# Altium PCB mchf_pro_ui.PcbDoc (part 2 of 5) (continued)
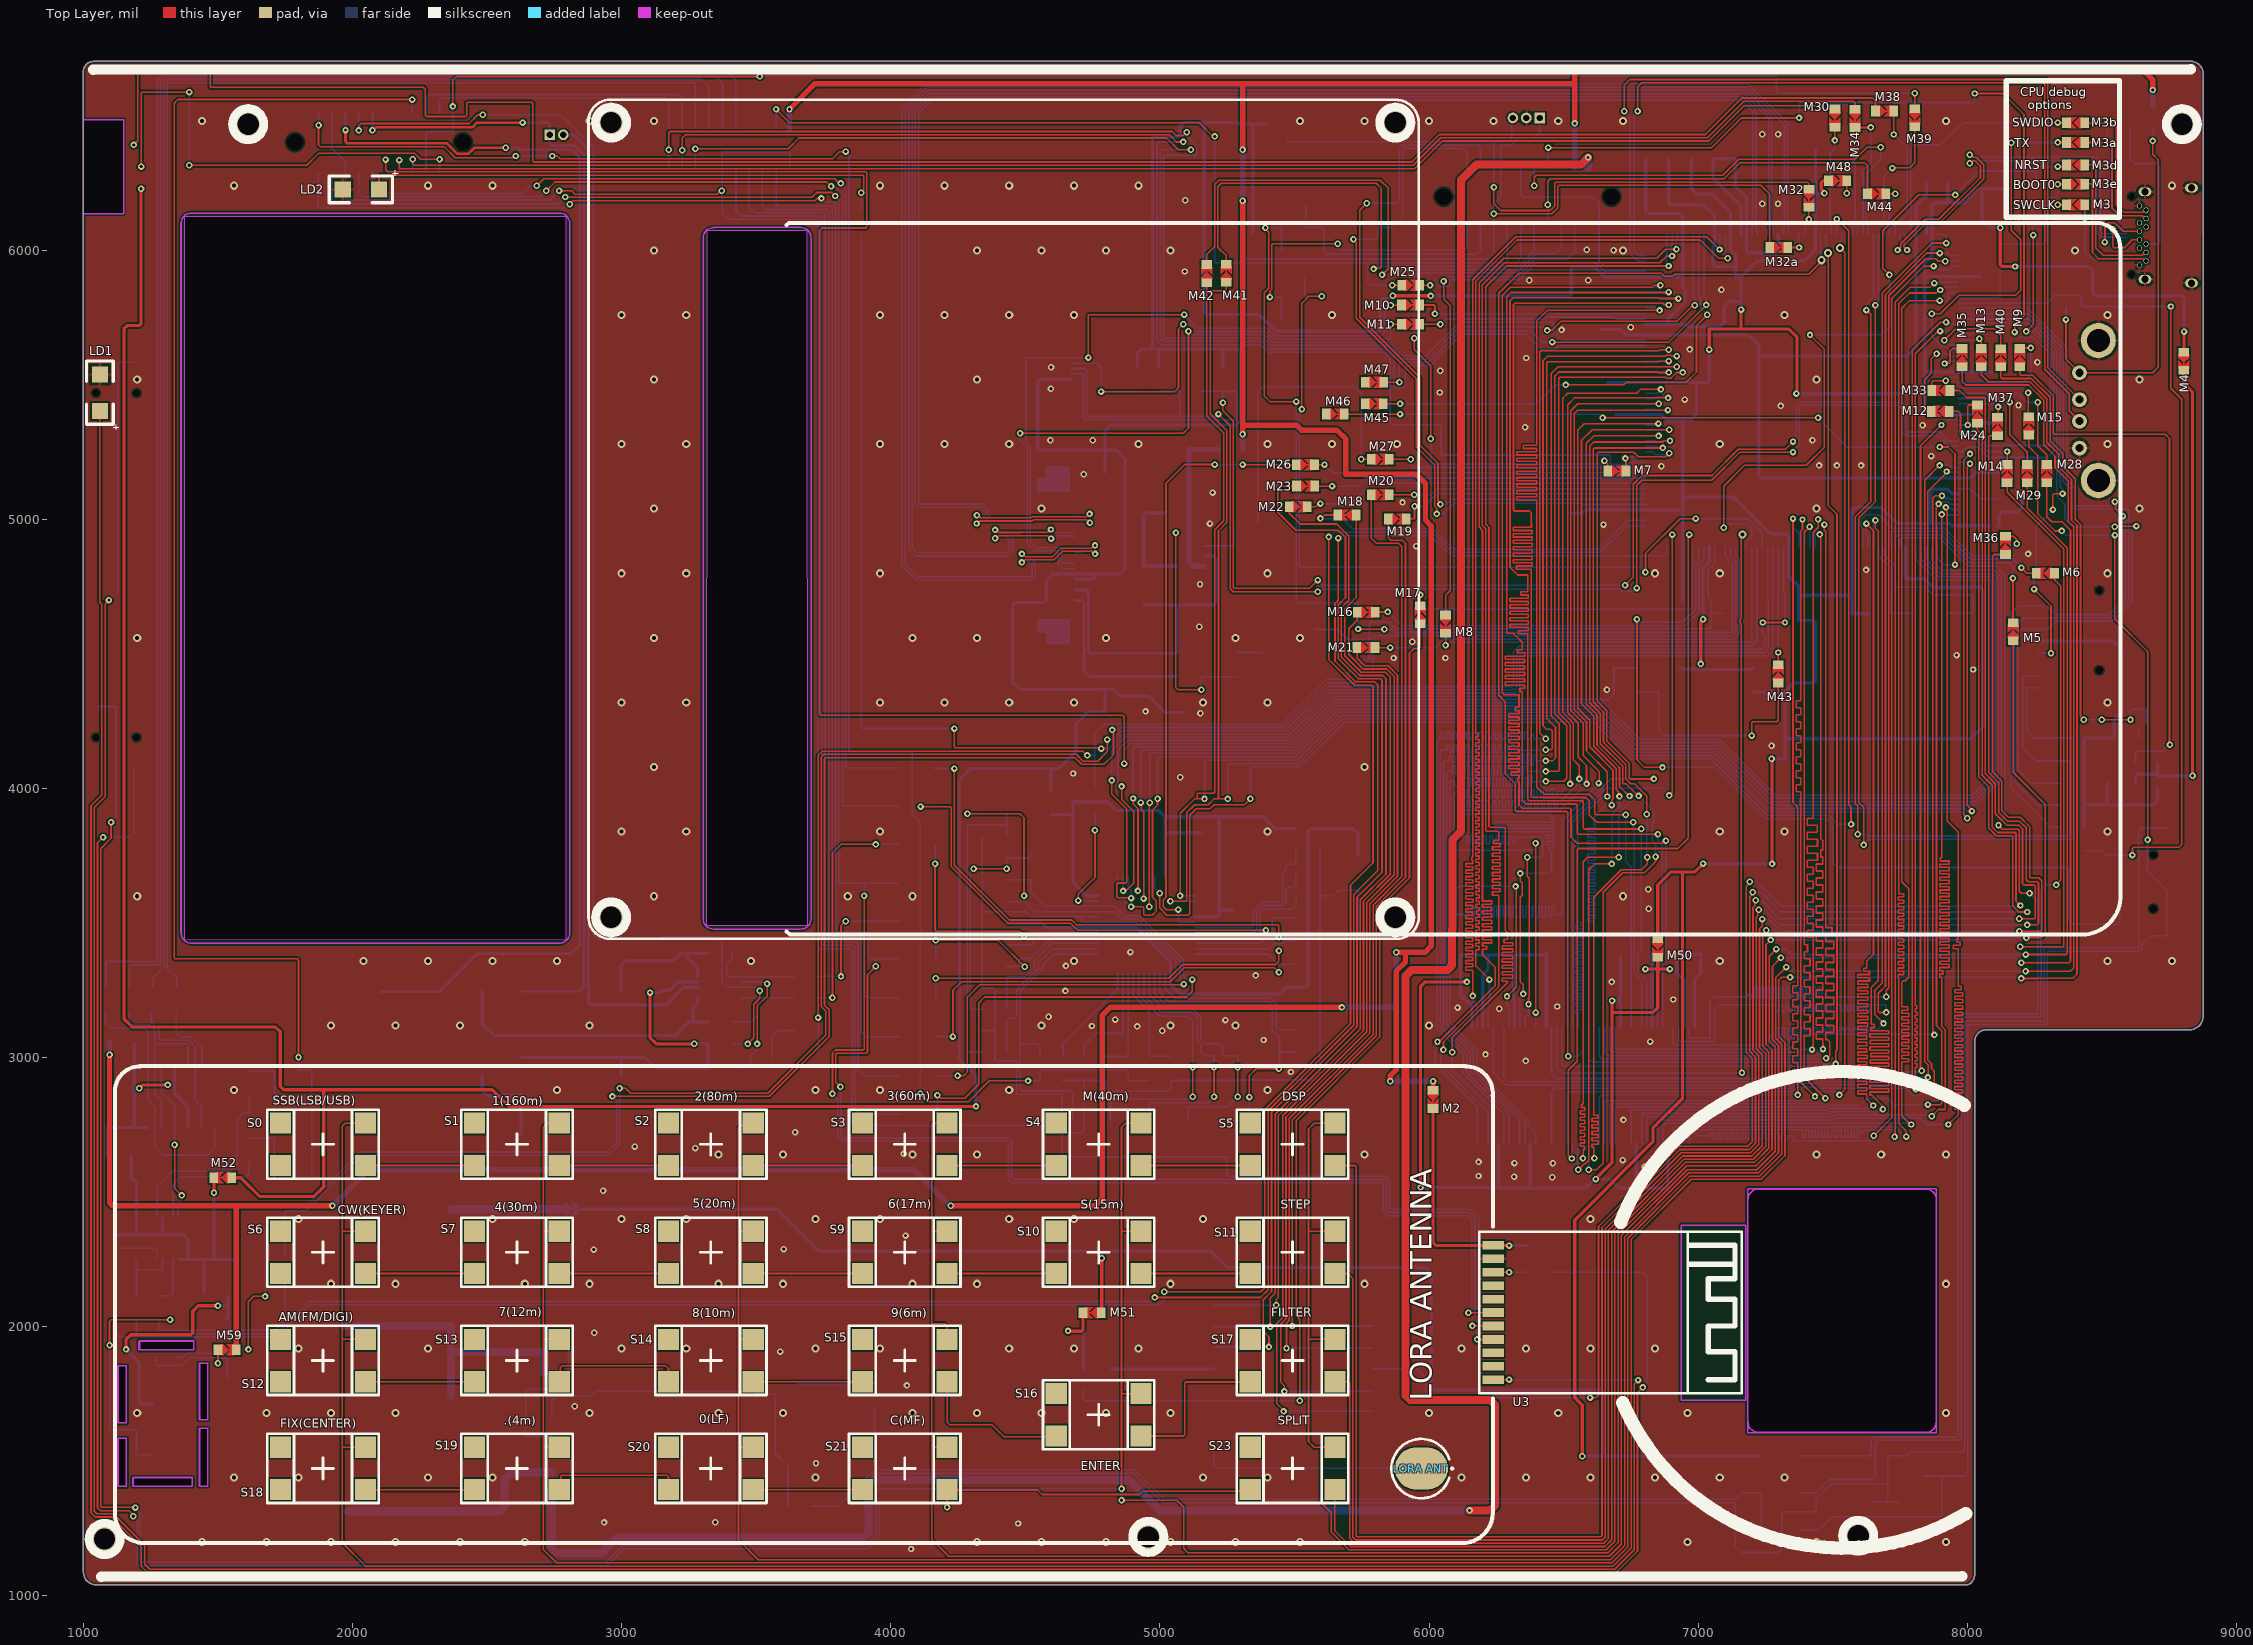
[diagram p0: Top Layer view]
## Nets (pads, with @x,y where several pads share a name; then routed paths per layer and width w, separated by ;. In a path a pad name is that pad's centre, name@x,y a point inside that pad or via, vN(x,y) a via of type N, cw(c..) or ccw(c..) an arc to the next point about the centre after c; other vN are vias at no path point) (continued)
  Bottom Layer w6: v1(4487.2,4840.13) 4489.76,4840.13 4499.72,4850.09 4506.94,4850.09 4524.59,4832.44 4524.59,4789.56 4521.07,4786.04 4101.75,4786.04 4053.15,4834.65 4053.15,4922.24 4053.15,6525.86 4133.59,6606.3 7181.1,6606.3 7320.74,6466.66 7320.74,6082.76 7316.9,6078.91 U5.127@7316.9,6059.62 ; J7.11@4684.06,4875.98 4686.96,4878.89 4703.32,4878.89 4704.26,4879.83 4719.48,4879.83 4721.29,4881.64 4746.38,4881.64 4756.1,4871.92 v1(4758.89,4871.92)
DSI_RESET: J7.9 J8.7 M10.1 | length 2609.2
  Top Layer w6: v1(4734.25,5601.65) 4734.25,5757.76 4737.77,5761.27 v1(5090.27,5761.27) ; v1(5857.85,5796.13) 5896.88,5796.13 M10.1@5897.53,5796.78
  Bottom Layer w6: J7.9@4684.06,4836.61 4638.54,4836.61 4635.02,4840.13 4635.02,4891.97 4631.51,4895.49 4538.93,4895.49 4518.7,4915.72 4518.7,5273.48 4502.04,5290.15 4502.04,5596.88 4505.55,5600.39 J8.7@4670.39,5600.39 4671.02,5601.02 4733.63,5601.02 v1(4734.25,5601.65) ; v1(5090.27,5761.27) 5141.19,5710.35 5397.98,5710.35 5426.1,5682.24 5822.1,5682.24 5834.48,5694.61 5834.48,5792.62 5837.99,5796.13 v1(5857.85,5796.13)
DSI_TE: J7.8 U5.88 | length 3490.3
  Top Layer w6: v1(4480.31,5320.07) 5086.61,5320.07 5105.95,5339.41 v1(5105.95,5698.92)
  Bottom Layer w6: v1(4480.31,5320.07) 4480.31,5294.55 4506.7,5268.16 4506.7,4912.14 4506.89,4911.95 4506.89,4908.46 4531.87,4883.49 4619.51,4883.49 4623.02,4879.97 4623.02,4834.29 4640.38,4816.93 J7.8@4684.06,4816.93 ; v1(5105.95,5698.92) 5110.51,5698.92 5123.08,5686.35 5388.04,5686.35 5416.16,5658.24 5847.12,5658.24 5897.01,5608.35 5989.57,5608.35 6113.47,5732.25 6458.87,5732.25 6462.38,5728.73 6462.38,5699.29 6495.75,5665.92 U5.88@6805.08,5665.92
ENC1_I: C30.1 TS1.b U5.46 | length 3301.1
  Top Layer w6: v1(6772.48,4629.12) 6772.48,4106.6 6800.52,4078.56 v1(6867.37,4078.56)
  Bottom Layer w6: v1(6772.48,4629.12) 6773.81,4629.12 6784.99,4617.94 6942.3,4617.94 6991,4666.64 6991,4836.23 7001.94,4847.17 U5.46@7001.93,4898.21 ; v1(6867.37,4078.56) 7060.19,4078.56 7251.11,3887.64 7478.36,3887.64 7501.88,3864.11 7501.88,3720.22 7515.33,3706.78 8373.22,3706.78 8376.74,3703.27 8376.74,3512.04 8393.31,3495.47 C30.1@8438.98,3495.47 8562.63,3495.47 8566.14,3498.99 TS1.b@8566.14,3553.54
ENC1_Q: C31.1 TS1.d U5.166 | length 3249.9
  Top Layer w6: v1(8613.52,3753.05) 8613.52,3778.68 8617.04,3782.19 8786.56,3782.19 8796.26,3791.89 8796.26,3940.95 8796.26,5326.59 8796.26,5446.85 8755.91,5487.2 v1@8755.91,5791.24
  Bottom Layer w6: U5.166@7966.5,5803.72 8296.02,5803.72 8324.89,5832.58 8419.06,5832.58 8423.44,5828.2 8423.44,5794.75 8426.95,5791.24 v1(8756.24,5791.24) ; C31.1@8438.53,3768.92 8499.02,3768.92 8514.39,3753.54 TS1.d@8566.14,3753.54 8566.63,3753.05 v1(8613.52,3753.05)
ENC2_I: J1UI.A4 U5.190 | length 3699.9
  Top Layer w6: v1(6442.81,6381.8) 7050.1,6381.8 7160.09,6491.78 v1(7374.75,6491.78) ; v1(8027.56,6582.68) 8132.43,6582.68 8210.41,6504.7 8210.41,5756.96 8175.72,5722.27 v1(8175.72,5696.1)
  Bottom Layer w6: J1UI.A4@6441.04,6307.32 6442.81,6309.1 v1(6442.81,6381.8) ; v1(7374.75,6491.78) 7374.75,6545.61 7378.26,6549.13 8024.04,6549.13 8027.56,6552.64 v1(8027.56,6582.68) ; U5.190@7966.5,5331.28 7985.79,5331.28 7993.99,5323.08 8021.1,5323.08 8069.55,5274.63 8304.59,5274.63 8308.1,5278.14 8308.1,5615.2 8245.75,5677.55 8194.27,5677.55 v1(8175.72,5696.1)
ENC2_Q: J1UI.A5 U5.143 | length 1781.1
  Top Layer w6: v1(6390.9,6240) 6390.9,6271.5 6398.13,6278.73 7091.72,6278.73 7150.96,6337.97 7582.06,6337.97 7626.97,6382.87 v1(7678.58,6382.87)
  Bottom Layer w6: v1(6390.9,6240) 6391.04,6240.14 J1UI.A5@6391.04,6307.32 ; U5.143@7631.86,6059.62 7631.86,6104.28 7624.86,6111.27 7624.86,6284.25 7678.58,6337.97 v1(7678.58,6382.87)
FAN_ON: M38.1 SW1.1 | length 7313.1
  Top Layer w6: v1(1187.24,6391.79) 1202.28,6406.82 1202.28,6667.49 1206.24,6671.44 1467.96,6671.44 1471.47,6667.93 1471.47,6606.28 2262.8,6606.28 2270.67,6598.41 2270.67,6500.56 2274.18,6497.05 2420.41,6497.05 2423.92,6500.56 2423.92,6546.46 2427.43,6549.98 2666.18,6549.98 2669.7,6546.46 2669.7,6331.63 2673.21,6328.12 5936.15,6328.12 6038.16,6430.13 7026.3,6430.13 7162.12,6565.94 7647.98,6565.94 7658.83,6555.1 M38.1@7658.83,6517.36
FAN_ON1: J3UI.A10 SW1.2 | length 1727.7
  Top Layer w6: v1(1214.57,6311.02) 1214.57,6584.42 1218.08,6587.93 v1(1392.92,6587.93) ; v1(1392.92,6316.14) 1829.92,6316.14 1873.89,6360.11 2231.42,6360.11 2253.18,6338.36 v1@2323.24,6338.36
  Bottom Layer w6: v1(1392.92,6316.14) v1(1392.92,6587.93) ; J3UI.A10@2323.03,6293.31 2323.27,6293.55 v1(2323.27,6338.32)
FMC_A0: U5.22 U8.25 | length 3495.2
  Top Layer w6: v1(7468.95,4980.89) 7468.08,4980.02 7468.08,4960.09 7474.38,4953.8 7474.38,3804.78 7474.38,3504.92 7474.38,3483.71 7496.96,3483.71 7496.96,3457.71 7474.38,3457.71 7474.38,3431.71 7503.52,3431.71 7503.52,3405.71 7474.38,3405.71 7474.38,3379.71 7503.52,3379.71 7503.52,3353.71 7474.38,3353.71 7474.38,3327.71 7503.52,3327.71 7503.52,3301.71 7474.38,3301.71 7474.38,3275.71 7503.52,3275.71 7503.52,3249.71 7474.38,3249.71 7474.38,3223.71 7503.52,3223.71 7503.52,3197.71 7474.38,3197.71 7474.38,3171.71 7503.52,3171.71 7503.52,3145.71 7474.38,3145.71 7474.38,3119.71 7503.52,3119.71 7503.52,3093.71 7474.38,3093.71 7474.38,3067.71 7480.05,3067.71 7483.05,3064.71 7488.13,3059.63 7488.13,3008.18 7477.69,2997.74 v1(7475.15,2997.74)
  Bottom Layer w6: U8.25@6632.13,3112.61 6632.13,3005.01 6641.08,2996.07 7074.08,2996.07 7074.2,2995.95 7473.35,2995.95 v1(7475.15,2997.74) ; v1(7468.95,4980.89) 7468.95,4959.23 7473.69,4954.48 7473.69,4898.89 U5.22@7474.38,4898.21
FMC_A1: U5.23 U8.26 | length 3476.1
  Top Layer w6: v1@7454.69,4935.21 7454.69,3819.46 7454.69,3814.85 7462.38,3807.17 7462.38,3771.61 7455.88,3771.61 7455.88,3745.61 7462.38,3745.61 7462.38,3719.61 7439.32,3719.61 7439.32,3693.61 7462.38,3693.61 7462.38,3667.61 7439.32,3667.61 7439.32,3641.61 7462.38,3641.61 7462.38,3615.61 7439.32,3615.61 7439.32,3589.61 7462.38,3589.61 7462.38,3563.61 7439.32,3563.61 7439.32,3537.61 7462.38,3537.61 7462.38,3511.61 7439.32,3511.61 7439.32,3485.61 7462.38,3485.61 7462.38,3459.61 7439.32,3459.61 7439.32,3433.61 7462.38,3433.61 7462.38,3407.61 7439.32,3407.61 7439.32,3381.61 7462.38,3381.61 7462.38,3355.61 7439.32,3355.61 7439.32,3329.61 7462.38,3329.61 7462.38,3303.61 7439.32,3303.61 7439.32,3277.61 7462.38,3277.61 7462.38,3251.61 7439.32,3251.61 7439.32,3225.61 7462.38,3225.61 7462.38,3199.61 7439.32,3199.61 7439.32,3173.61 7462.38,3173.61 7462.38,3147.61 7439.32,3147.61 7439.32,3121.61 7462.38,3121.61 7462.38,3095.61 7439.32,3095.61 7439.32,3069.61 7462.38,3069.61 7462.38,3066.61 7462.38,3052.58 7463.64,3051.32 v1(7463.64,3031.91)
  Bottom Layer w6: U8.26@6651.82,3112.61 6651.82,3019.33 6663.08,3008.07 7079.05,3008.07 7079.17,3007.95 7439.68,3007.95 v1(7463.64,3031.91) ; U5.23@7454.69,4898.21 v1@7454.69,4935.21
  other v1: 7451.45,4944.38
FMC_A2: U5.24 U8.27 | length 3420.1
  Top Layer w6: v1(7422.76,3030.33) 7426.21,3033.77 7426.21,3046.5 7427.32,3047.61 7427.32,3444.7 7427.32,3447.7 7405.52,3447.7 7405.52,3473.7 7427.32,3473.7 7427.32,3499.7 7405.52,3499.7 7405.52,3525.7 7427.32,3525.7 7427.32,3551.7 7405.52,3551.7 7405.52,3577.7 7427.32,3577.7 7427.32,3603.7 7405.52,3603.7 7405.52,3629.7 7427.32,3629.7 7427.32,3655.7 7405.52,3655.7 7405.52,3681.7 7427.32,3681.7 7427.32,3707.7 7405.52,3707.7 7405.52,3733.7 7443.21,3733.7 7443.21,3759.7 7405.52,3759.7 7405.52,3785.7 7443.11,3785.7 7443.11,3811.7 7405.52,3811.7 7405.52,3837.7 7442.69,3837.7 7442.69,3863.7 7405.52,3863.7 7405.52,3889.7 7427.32,3889.7 7427.32,3904.8 7427.32,4940.18 7427.32,4952.58 7445.52,4970.78 v1(7445.52,5000.78)
  Bottom Layer w6: U8.27@6671.5,3112.61 6671.5,3028.64 6680.08,3020.07 7372.81,3020.07 7383.07,3030.33 v1(7422.76,3030.33) ; U5.24@7435.01,4898.21 7435.01,4931.12 7430.45,4935.68 7430.45,4953.67 7445.52,4968.74 v1(7445.52,5000.78)
FMC_A3: U5.25 U8.60 | length 3485.8
  Top Layer w6: v1(7414.01,4972.78) 7393.52,4952.3 7393.52,3457.71 7393.52,3419.58 7405.95,3419.58 7405.95,3393.58 7393.52,3393.58 7393.52,3367.58 7415.32,3367.58 7415.32,3341.58 7393.52,3341.58 7393.52,3315.58 7415.32,3315.58 7415.32,3289.58 7393.52,3289.58 7393.52,3263.58 7415.32,3263.58 7415.32,3237.58 7393.52,3237.58 7393.52,3211.58 7415.32,3211.58 7415.32,3185.58 7393.52,3185.58 7393.52,3159.58 7415.32,3159.58 7415.32,3133.58 7393.52,3133.58 7393.52,3107.58 7415.32,3107.58 7415.32,3081.58 7393.52,3081.58 7393.52,3052.58 7393.52,2928.04 7427.32,2894.24 v1(7472.52,2849.04)
  Bottom Layer w6: U8.60@6671.5,2679.53 6671.5,2825.24 6675.02,2828.76 7456.81,2828.76 7472.52,2844.46 v1(7472.52,2849.04) ; v1(7414.01,4972.78) 7414.66,4972.12 7414.66,4898.86 U5.25@7415.32,4898.21
FMC_A4: U5.26 U8.61 | length 3464.8
  Top Layer w6: v1(7387.52,4999.84) 7387.52,4963.27 7381.52,4957.27 7381.52,4345.21 7381.52,4326.06 7364.25,4326.06 7364.25,4300.06 7381.52,4300.06 7381.52,4274.06 7364.25,4274.06 7364.25,4248.06 7381.52,4248.06 7381.52,4222.06 7364.25,4222.06 7364.25,4196.06 7381.52,4196.06 7381.52,4170.06 7364.25,4170.06 7364.25,4144.06 7381.52,4144.06 7381.52,4118.06 7364.25,4118.06 7364.25,4092.06 7381.52,4092.06 7381.52,4066.06 7364.25,4066.06 7364.25,4040.06 7381.52,4040.06 7381.52,4014.06 7364.25,4014.06 7364.25,3988.06 7381.52,3988.06 7381.52,3962.06 7380.26,3962.06 7380.26,3936.06 7381.52,3936.06 7381.52,3933.06 7381.52,2908.85 v1(7434.02,2856.35)
  Bottom Layer w6: U8.61@6651.82,2679.53 6651.82,2837.24 6655.33,2840.76 7418.42,2840.76 v1(7434.02,2856.35) ; v1(7387.52,4999.84) 7387.52,4964.32 7395.64,4956.21 U5.26@7395.64,4898.21
FMC_A5: U5.27 U8.62 | length 3421.8
  Top Layer w6: v1(7352.25,5003.12) 7352.25,3947.97 7369.52,3930.7 7369.52,3279.84 7369.52,3267.59 7351.49,3267.59 7351.49,3241.59 7369.52,3241.59 7369.52,3215.59 7351.49,3215.59 7351.49,3189.59 7369.52,3189.59 7369.52,3163.59 7351.49,3163.59 7351.49,3137.59 7369.52,3137.59 7369.52,3111.59 7351.49,3111.59 7351.49,3085.59 7369.52,3085.59 7369.52,3059.59 7351.49,3059.59 7351.49,3033.59 7369.52,3033.59 7369.52,3007.59 7351.49,3007.59 7351.49,2981.59 7369.52,2981.59 7369.52,2955.59 7351.49,2955.59 7351.49,2929.59 7369.52,2929.59 7369.52,2926.59 7369.52,2868.78 v1@7374.52,2863.78
  Bottom Layer w6: U8.62@6632.13,2679.53 6632.13,2852.39 6641.5,2861.76 v1@7361.52,2861.76 ; v1(7352.25,5003.12) 7352.25,4971.89 7375.95,4948.19 U5.27@7375.95,4898.21
  other v1: 7369.52,2861.76
FMC_A6: U5.68 U8.63 | length 3467.8
  Top Layer w6: v1(6614.52,2626.59) 6612.11,2629 6612.11,2663.78 6612.11,2666.78 6605.52,2666.78 6605.52,2678.78 6629.18,2678.78 6629.18,2690.78 6605.52,2690.78 6605.52,2702.78 6629.18,2702.78 6629.18,2714.78 6605.52,2714.78 6605.52,2726.78 6629.18,2726.78 6629.18,2738.78 6605.52,2738.78 6605.52,2750.78 6629.18,2750.78 6629.18,2762.78 6605.52,2762.78 6605.52,2774.78 6627.73,2774.78 6627.73,2786.78 6612.11,2786.78 6612.11,2861.23 6612.11,3596.43 6714.46,3698.78 6789.52,3698.78 6810.85,3720.11 v1(6810.88,3744.78) ; v1(6809.22,3904.8) 6809.52,3905.11 6809.52,3971.78 6763.04,4018.27 6749.01,4018.27 6731.45,4035.83 6731.45,4088.5 6648.11,4171.83 6648.11,4284.47 6609.52,4323.06 6609.52,5261.01 6614.15,5265.64 v1(6868.38,5265.64)
  Bottom Layer w6: U8.63@6612.45,2679.53 6613.1,2678.88 6613.1,2628.01 v1(6614.52,2626.59) ; U5.68@6805.08,5272.22 6843.7,5272.22 6850.29,5265.64 v1(6868.38,5265.64) ; v1(6809.22,3904.8) 6809.22,3746.44 v1(6810.88,3744.78)
FMC_A7: U5.69 U8.64 | length 3468.4
  Top Layer w6: v1(6593.52,2583.57) 6622.31,2583.57 6647.52,2608.78 6647.52,3614.87 6719.43,3686.78 6800.52,3686.78 6841.52,3727.78 v1(6841.52,3746.78) ; v1@6778.52,3971.78 6732.09,4018.21 6719.45,4018.21 6719.45,4083.53 6636.11,4166.86 6636.11,4279.5 6596.52,4319.09 6596.52,5272.68 6611.67,5287.83 6869.48,5287.83 6874.36,5292.71 v1(6895.19,5292.71)
  Bottom Layer w6: U8.64@6593.11,2679.88 U8.64@6592.76,2679.53 6592.76,2583.54 v1@6593.52,2582.78 ; v1(6778.52,3972.57) 6835.5,3915.59 6835.5,3876.78 6828.98,3870.26 6828.98,3807.78 6841.52,3795.24 v1(6841.52,3746.78) ; U5.69@6805.08,5291.91 6841.34,5291.91 6843.97,5289.28 6861.37,5289.28 6864,5291.91 6894.39,5291.91 v1(6895.19,5292.71)
FMC_A8: U5.70 U8.65 | length 3466.4
  Top Layer w6: v1(6571.76,2626.59) 6573.11,2627.94 6573.11,2643.94 6573.11,2658.94 6578.22,2658.94 6578.22,2670.94 6561.57,2670.94 6561.57,2682.94 6578.22,2682.94 6578.22,2694.94 6561.57,2694.94 6561.57,2706.94 6578.22,2706.94 6578.22,2718.94 6561.57,2718.94 6561.57,2730.94 6578.22,2730.94 6578.22,2742.94 6561.57,2742.94 6561.57,2754.94 6578.22,2754.94 6578.22,2766.94 6561.57,2766.94 6561.57,2778.94 6578.22,2778.94 6578.22,2790.94 6561.57,2790.94 6561.57,2802.94 6578.22,2802.94 6578.22,2814.94 6566.5,2814.94 6566.5,2826.94 6573.11,2826.94 6573.11,2942.01 6573.11,3728.37 6589.52,3744.78 v1(6705.18,3744.78) ; v1@6743.45,3971.94 6707.45,4007.94 6707.45,4078.56 6624.11,4161.89 6624.11,4274.53 6584.52,4314.12 6584.52,5282.97 6611.83,5310.28 v1(6852.67,5310.28)
  Bottom Layer w6: v1(6571.76,2626.59) 6572.42,2627.25 6572.42,2678.88 U8.65@6573.08,2679.53 ; v1(6705.18,3744.78) 6705.18,3907.14 6744.81,3946.77 v1(6744.81,3972.38) ; U5.70@6805.08,5311.59 6851.35,5311.59 v1(6852.67,5310.28)
FMC_A9: U5.71 U8.66 | length 3401
  Top Layer w6: v1(6554.6,2584.1) 6574.43,2603.94 6578.81,2603.94 6593.52,2618.65 6593.52,3698.78 6614.85,3720.11 v1(6678.52,3720.11) ; v1(6707.45,3970.68) 6705.18,3972.94 6705.18,3986.12 6695.45,3995.86 6695.45,4073.59 6612.11,4156.92 6612.11,4269.56 6566.52,4315.15 6566.52,5294.35 6605.78,5333.61 v1(6892.46,5333.61)
  Bottom Layer w6: v1@6553.11,2583.54 6553.39,2583.83 6553.39,2615.26 6550.76,2617.89 6550.76,2635.29 6553.39,2637.92 U8.66@6553.39,2679.53 U8.66@6553.11,2679.82 ; v1(6678.52,3720.11) 6678.52,3904.05 6707.45,3932.98 v1(6707.45,3970.68) ; U5.71@6805.08,5331.28 6871.77,5331.28 6874.11,5333.61 v1(6892.46,5333.61)
FMC_A10: U5.72 U8.24 | length 3481.3
  Top Layer w6: v1(6678.52,3938.57) 6678.52,3956.95 6683.45,3961.87 6683.45,4068.62 6597.11,4154.95 6597.11,4253.66 6552.6,4298.18 6552.6,5332.06 6576.57,5356.04 v1(6852.29,5356.04)
  Bottom Layer w6: U8.24@6612.45,3112.61 6612.45,3503.15 6612.45,3506.15 6590.57,3506.15 6590.57,3518.15 6617.46,3518.15 6617.46,3530.15 6590.57,3530.15 6590.57,3542.15 6617.46,3542.15 6617.46,3554.15 6590.57,3554.15 6590.57,3566.15 6617.46,3566.15 6617.46,3578.15 6590.57,3578.15 6590.57,3590.15 6617.46,3590.15 6617.46,3602.15 6590.57,3602.15 6590.57,3614.15 6617.46,3614.15 6617.46,3626.15 6590.57,3626.15 6590.57,3638.15 6617.46,3638.15 6617.46,3650.15 6590.57,3650.15 6590.57,3662.15 6617.46,3662.15 6617.46,3674.15 6590.57,3674.15 6590.57,3686.15 6617.46,3686.15 6617.46,3698.15 6590.57,3698.15 6590.57,3710.15 6617.46,3710.15 6617.46,3722.15 6590.57,3722.15 6590.57,3734.15 6617.46,3734.15 6617.46,3746.15 6590.57,3746.15 6590.57,3758.15 6617.46,3758.15 6617.46,3770.15 6590.57,3770.15 6590.57,3782.15 6617.46,3782.15 6617.46,3794.15 6590.57,3794.15 6590.57,3806.15 6617.46,3806.15 6617.46,3818.15 6590.57,3818.15 6590.57,3830.15 6617.46,3830.15 6617.46,3842.15 6590.57,3842.15 6590.57,3854.15 6617.46,3854.15 6617.46,3866.15 6612.45,3866.15 6612.45,3870.26 6612.45,3893.7 6656.53,3937.78 v1@6678.52,3937.78 ; U5.72@6805.33,5351.21 U5.72@6805.08,5350.96 6842.34,5350.96 6847.42,5356.04 v1(6852.29,5356.04)
FMC_A11: U5.75 U8.21 | length 3494.8
  Top Layer w6: v1(6662.45,3970.57) 6662.45,4062.62 6585.11,4139.95 6585.11,4248.69 6538.79,4295.01 6538.79,5392.53 6552.53,5406.27 v1(6887.49,5406.27)
  Bottom Layer w6: U8.21@6553.39,3112.61 6553.39,3163.78 6553.39,3166.78 6545.71,3166.78 6545.71,3178.78 6570.09,3178.78 6570.09,3190.78 6545.71,3190.78 6545.71,3202.78 6570.09,3202.78 6570.09,3214.78 6545.71,3214.78 6545.71,3226.78 6570.09,3226.78 6570.09,3238.78 6545.71,3238.78 6545.71,3250.78 6570.09,3250.78 6570.09,3262.78 6545.71,3262.78 6545.71,3274.78 6570.09,3274.78 6570.09,3286.78 6545.71,3286.78 6545.71,3298.78 6570.09,3298.78 6570.09,3310.78 6545.71,3310.78 6545.71,3322.78 6570.09,3322.78 6570.09,3334.78 6545.71,3334.78 6545.71,3346.78 6570.09,3346.78 6570.09,3358.78 6545.71,3358.78 6545.71,3370.78 6570.09,3370.78 6570.09,3382.78 6545.71,3382.78 6545.71,3394.78 6570.09,3394.78 6570.09,3406.78 6545.71,3406.78 6545.71,3418.78 6570.09,3418.78 6570.09,3430.78 6545.71,3430.78 6545.71,3442.78 6570.09,3442.78 6570.09,3454.78 6545.71,3454.78 6545.71,3466.78 6570.09,3466.78 6570.09,3478.78 6545.71,3478.78 6545.71,3490.78 6563.3,3490.78 6563.3,3502.78 6553.12,3502.78 6553.11,3509.28 6553.11,3512.28 6553.11,3879.66 6643.23,3969.78 v1@6662.45,3969.78 ; U5.75@6805.08,5410.02 6837.45,5410.02 6841.2,5406.27 v1(6887.49,5406.27)
FMC_BA0: U5.134 U8.22 | length 4565.1
  Top Layer w6: v1(6517.54,3005.01) 6515.52,3007.03 6515.52,3911.33 6512.01,3914.85 6323.42,3914.85 6319.52,3918.74 6319.52,4018.98 6282.5,4056.01 6282.5,4322.66 6258.87,4346.29 6258.87,5840.13 6333.95,5915.21 6863.47,5915.21 6863.47,5914.26 6874.46,5903.27 6879.43,5903.27 6879.64,5903.48 6904.76,5903.48 6912.52,5911.24 7410.8,5911.24 7457.52,5957.97 v2(7457.52,5963.21)
  Bottom Layer w6: v1(6517.54,3005.01) 6553.39,3005.01 6573.08,3024.7 U8.22@6573.08,3112.61 ; U5.134@7454.69,6059.62 7454.69,5966.04 v2(7457.52,5963.21)
FMC_BA1: U5.135 U8.23 | length 4139.9
  Top Layer w6: v2(7482.52,5990.78) 7482.52,5051.78 7515.52,5018.78 7515.52,3030.03 7510.86,3025.36 v1(7510.86,2976.74)
  Bottom Layer w6: U8.23@6592.76,3112.61 6592.76,2997.38 6606.2,2983.95 7456.71,2983.95 7463.91,2976.74 v1(7510.86,2976.74) ; v2@7474.38,5991.21 U5.135@7474.38,6059.62
FMC_D0: U5.115 U8.2 | length 4744
  Top Layer w6: v1(6162.11,3229.59) 6162.11,3322.41 6162.11,3325.42 6135.99,3325.42 6135.99,3337.42 6162.11,3337.42 6162.11,3349.42 6135.99,3349.42 6135.99,3361.42 6162.11,3361.42 6162.11,3373.42 6135.99,3373.42 6135.99,3385.42 6162.11,3385.42 6162.11,3397.42 6135.99,3397.42 6135.99,3409.42 6162.11,3409.42 6162.11,3421.42 6135.99,3421.42 6135.99,3433.42 6162.11,3433.42 6162.11,3445.42 6135.99,3445.42 6135.99,3457.42 6162.11,3457.42 6162.11,3469.42 6135.99,3469.42 6135.99,3481.42 6162.11,3481.42 6162.11,3493.42 6135.99,3493.42 6135.99,3505.42 6162.11,3505.42 6162.11,3517.42 6135.99,3517.42 6135.99,3529.42 6162.86,3529.42 6162.86,3541.42 6135.99,3541.42 6135.99,3553.42 6162.11,3553.42 6162.11,3565.42 6135.99,3565.42 6135.99,3577.42 6163.62,3577.42 6163.62,3589.42 6135.99,3589.42 6135.99,3601.42 6162.11,3601.42 6162.11,3613.42 6135.99,3613.42 6135.99,3625.42 6162.25,3625.42 6162.25,3637.42 6135.99,3637.42 6135.99,3649.42 6162.11,3649.42 6162.11,3661.42 6135.99,3661.42 6135.99,3673.42 6162.11,3673.42 6162.11,3685.42 6135.99,3685.42 6135.99,3697.42 6162.11,3697.42 6162.11,3709.42 6135.99,3709.42 6135.99,3721.42 6162.11,3721.42 6162.11,3733.42 6159.22,3733.42 6159.22,3745.42 6162.11,3745.42 6162.11,3767.68 6162.11,5890.73 6321.65,6050.28 7032.16,6050.28 7079.36,6003.08 v1(7079.36,6003.02)
  Bottom Layer w6: v1(6162.11,3229.59) 6162.11,3209.87 6179.38,3192.6 U8.2@6179.38,3112.61 ; v1(7079.36,6003.02) 7079.36,6008.89 7080.68,6010.21 U5.115@7080.67,6059.62
FMC_D1: U5.116 U8.4 | length 4748.1
  Top Layer w6: v1(6224.37,3290.3) 6174.11,3340.56 6174.11,3386.58 6174.11,3401.58 6186.52,3401.58 6186.52,3413.58 6174.11,3413.58 6174.11,3425.58 6186.52,3425.58 6186.52,3437.58 6174.11,3437.58 6174.11,3449.58 6186.52,3449.58 6186.52,3461.58 6174.11,3461.58 6174.11,3473.58 6186.52,3473.58 6186.52,3485.58 6174.11,3485.58 6174.11,3497.58 6186.52,3497.58 6186.52,3509.58 6174.11,3509.58 6174.11,3521.58 6186.52,3521.58 6186.52,3533.58 6174.86,3533.58 6174.86,3545.58 6186.49,3545.58 6186.49,3557.58 6174.11,3557.58 6174.11,3569.58 6186.46,3569.58 6186.46,3581.58 6175.62,3581.58 6175.62,3593.58 6186.52,3593.58 6186.52,3605.58 6174.11,3605.58 6174.11,3617.58 6186.52,3617.58 6186.52,3629.58 6174.25,3629.58 6174.25,3641.58 6186.52,3641.58 6186.52,3653.58 6174.11,3653.58 6174.11,3665.58 6186.52,3665.58 6186.52,3677.58 6174.11,3677.58 6174.11,3689.58 6186.52,3689.58 6186.52,3701.58 6174.11,3701.58 6174.11,3713.58 6186.52,3713.58 6186.52,3725.58 6174.11,3725.58 6174.11,3737.58 6186.52,3737.58 6186.52,3749.58 6174.11,3749.58 6174.11,3761.58 6186.52,3761.58 6186.52,3773.58 6174.11,3773.58 6174.11,3785.58 6186.52,3785.58 6186.52,3797.58 6174.11,3797.58 6174.11,3809.58 6186.52,3809.58 6186.52,3821.58 6174.11,3821.58 6174.11,3833.58 6186.52,3833.58 6186.52,3845.58 6174.11,3845.58 6174.11,3857.58 6186.52,3857.58 6186.52,3869.58 6174.11,3869.58 6174.11,3881.58 6186.52,3881.58 6186.52,3893.58 6174.11,3893.58 6174.11,3905.58 6186.52,3905.58 6186.52,3917.58 6174.11,3917.58 6174.11,3929.58 6186.52,3929.58 6186.52,3941.58 6174.11,3941.58 6174.11,3953.58 6186.52,3953.58 6186.52,3965.58 6174.11,3965.58 6174.11,3977.58 6186.52,3977.58 6186.52,3989.58 6174.11,3989.58 6174.11,4001.58 6186.52,4001.58 6186.52,4013.58 6174.11,4013.58 6174.11,4025.58 6186.52,4025.58 6186.52,4037.58 6174.11,4037.58 6174.11,4049.58 6186.52,4049.58 6186.52,4061.58 6174.11,4061.58 6174.11,4073.58 6186.52,4073.58 6186.52,4085.58 6174.11,4085.58 6174.11,4097.58 6186.52,4097.58 6186.52,4109.58 6174.11,4109.58 6174.11,4121.58 6186.52,4121.58 6186.52,4133.58 6174.11,4133.58 6174.11,4145.58 6186.52,4145.58 6186.52,4157.58 6174.11,4157.58 6174.11,4169.58 6186.52,4169.58 6186.52,4181.58 6174.11,4181.58 6174.11,4193.58 6182.91,4193.58 6182.91,4205.58 6174.11,4205.58 6174.11,4219.52 6174.11,5885.76 6326.62,6038.28 7007.69,6038.28 7075.64,5970.33 v1(7109.62,5970.33)
  Bottom Layer w6: U8.4@6218.75,3112.61 6219.86,3113.72 6219.86,3207.44 6224.37,3211.95 v1(6224.37,3290.3) ; U5.116@7100.36,6059.62 7100.36,5982.84 7109.62,5973.59 v1(7109.62,5970.33)
FMC_D2: U5.170 U8.5 | length 4751.2
  Top Layer w6: v1(7808.85,2882.76) 7794.76,2896.85 7794.76,5628.17 7899.21,5732.62 v1(7920.96,5732.62)
  Bottom Layer w6: U8.5@6238.43,3112.61 6238.43,2945.25 6285.33,2898.36 7342.48,2898.36 7364.31,2920.18 7433.83,2920.18 7454.95,2899.07 7791.52,2899.07 7807.84,2882.76 v1(7808.85,2882.76) ; v1(7920.96,5732.62) 7925.83,5732.62 7933.47,5724.98 U5.170@7966.5,5724.98
FMC_D3: U5.171 U8.7 | length 4803.3
  Top Layer w6: v1@7825.76,2907.78 7806.76,2926.78 7806.76,2950.26 7806.76,2953.26 7806.76,2965.26 7813.76,2965.26 7813.76,2977.26 7806.76,2977.26 7806.76,2989.26 7813.76,2989.26 7813.76,3001.26 7806.76,3001.26 7806.76,3013.26 7813.76,3013.26 7813.76,3025.26 7806.76,3025.26 7806.76,3037.26 7813.76,3037.26 7813.76,3049.26 7806.76,3049.26 7806.76,3061.26 7813.76,3061.26 7813.76,3073.26 7806.76,3073.26 7806.76,3085.26 7813.76,3085.26 7813.76,3097.26 7806.76,3097.26 7806.76,3109.26 7813.76,3109.26 7813.76,3121.26 7806.76,3121.26 7806.76,3133.26 7813.76,3133.26 7813.76,3145.26 7806.76,3145.26 7806.76,3157.26 7813.76,3157.26 7813.76,3169.26 7806.76,3169.26 7806.76,3181.26 7812.16,3181.26 7812.16,3193.26 7806.76,3193.26 7806.76,3296.62 7806.76,3800.78 7806.76,5615.29 7886.04,5694.57 7888.44,5694.57 7893.65,5699.78 v1(7898.52,5699.78)
  Bottom Layer w6: U8.7@6277.8,3112.61 6277.8,2928.35 6295.79,2910.36 7337.51,2910.36 7361.65,2934.5 7436.49,2934.5 7459.92,2911.07 7820.51,2911.07 ; v1(7898.52,5699.78) 7898.7,5699.96 7916.01,5699.96 7921.34,5705.29 U5.171@7966.5,5705.29
  other v1: 7831.9,2904.55
FMC_D4: U5.76 U8.8 | length 4720.9
  Top Layer w6: v1@6295.17,3228.07 6294.88,3227.78 v1(6289.52,3227.78) 6323.42,3261.68 6323.42,3633.88 v1@6319.52,3637.78 ; v1(6630.04,4020.23) 6632.13,4022.33 6632.13,4063.52 6573.11,4122.54 6573.11,4243.72 6526.79,4290.04 6526.79,5403.9 6552.6,5429.7 v1(6853.76,5429.7)
  Bottom Layer w6: v1(6289.52,3227.78) 6289.52,3196.66 6297.49,3188.7 U8.8@6297.49,3112.61 ; v1@6295.17,3228.07 v1@6296.37,3226.87 ; v1(6321.47,3636.62) 6110.96,3636.62 6100.04,3625.7 6100.04,3535.67 6103.55,3532.15 6124.04,3532.15 6132.46,3532.15 6132.46,3523.48 6144.46,3523.48 6144.46,3562.79 6156.46,3562.79 6156.46,3523.48 6168.46,3523.48 6168.46,3562.79 6180.46,3562.79 6180.46,3523.48 6192.46,3523.48 6192.46,3562.79 6204.46,3562.79 6204.46,3523.48 6216.46,3523.48 6216.46,3562.79 6228.46,3562.79 6228.46,3523.48 6240.46,3523.48 6240.46,3562.79 6252.46,3562.79 6252.46,3523.48 6264.46,3523.48 6264.46,3562.79 6276.46,3562.79 6276.46,3523.48 6288.46,3523.48 6288.46,3562.79 6300.46,3562.79 6300.46,3523.48 6312.46,3523.48 6312.46,3562.79 6324.46,3562.79 6324.46,3523.48 6336.46,3523.48 6336.46,3562.79 6348.46,3562.79 6348.46,3523.48 6360.46,3523.48 6360.46,3562.79 6372.46,3562.79 6372.46,3523.48 6384.46,3523.48 6384.46,3562.79 6396.46,3562.79 6396.46,3523.48 6408.46,3523.48 6408.46,3562.79 6420.46,3562.79 6420.46,3523.48 6432.46,3523.48 6432.46,3562.79 6444.46,3562.79 6444.46,3523.48 6456.46,3523.48 6456.46,3562.79 6468.46,3562.79 6468.46,3532.15 6483.46,3532.15 6490.82,3532.15 6494.34,3535.67 6494.34,3879.96 6630.04,4015.66 v1(6630.04,4020.23) ; U5.76@6805.08,5429.7 v1(6853.76,5429.7)
FMC_D5: U5.77 U8.10 | length 4714.2
  Top Layer w6: v1(6339.17,3684.83) 6339.17,3656.37 6345.95,3649.6 6345.95,3603.2 6339.17,3596.43 6339.17,3281.6 6350.04,3270.73 v1(6350.04,3237.07) ; v1(6585.11,4017.35) 6585.11,4085.44 6554.04,4116.51 6554.04,4242.66 6514.79,4281.91 6514.79,5426.24 6540.11,5451.56 v1(6888.27,5451.56)
  Bottom Layer w6: U8.10@6337.54,3113.29 U8.10@6336.86,3112.61 6336.86,3223.89 v1(6350.04,3237.07) ; v1(6339.17,3684.83) 6443.99,3684.83 6454.97,3695.81 6454.97,3709.43 6454.97,3767.58 6444.97,3767.58 6444.97,3779.58 6465.8,3779.58 6465.8,3791.58 6433.52,3791.58 6433.52,3803.58 6465.8,3803.58 6465.8,3815.58 6433.06,3815.58 6433.06,3827.58 6465.8,3827.58 6465.8,3839.58 6245.84,3839.58 6245.84,3851.58 6465.8,3851.58 6465.8,3863.58 6245.84,3863.58 6245.84,3875.58 6465.8,3875.58 6465.8,3887.58 6454.97,3887.58 6454.97,3890.58 6454.97,3900.49 6451.45,3904.01 6130.72,3904.01 6127.21,3907.52 6127.21,3916.61 6130.72,3920.13 6457.39,3920.13 6474.65,3920.13 6481.27,3920.13 6487.89,3920.13 v1(6585.11,4017.35) ; U5.77@6805.08,5449.39 6837.37,5449.39 6843.7,5455.72 6875.76,5455.72 6876.48,5455 6884.83,5455 v1(6888.27,5451.56)
FMC_D6: U5.78 U8.11 | length 4712.2
  Top Layer w6: v1(6364.52,3744.78) 6364.52,3673.85 6371.86,3666.52 6371.86,3223.15 6369.49,3220.78 v1(6369.49,3198.24) ; v1(6558.52,4035.78) 6558.52,4085.18 6536.01,4107.69 6536.01,4243.72 6497.28,4282.45 6497.28,5451.56 6514.79,5469.07 6771.49,5469.07 6785.51,5483.09 v1(6861.56,5483.09)
  Bottom Layer w6: U8.11@6356.54,3112.61 6356.54,3150.83 6369.49,3163.78 v1(6369.49,3198.24) ; v1(6364.52,3744.78) 6417.38,3744.78 6421.52,3748.92 6421.52,3812.28 6414.47,3819.33 6351.9,3819.33 6320.93,3819.33 6320.93,3796.19 6308.93,3796.19 6308.93,3824.4 6296.93,3824.4 6296.93,3795.41 6284.93,3795.41 6284.93,3824.4 6272.93,3824.4 6272.93,3795.41 6260.93,3795.41 6260.93,3824.4 6248.93,3824.4 6248.93,3795.41 6236.93,3795.41 6236.93,3824.4 6224.93,3824.4 6224.93,3795.41 6212.93,3795.41 6212.93,3824.4 6200.93,3824.4 6200.93,3795.41 6188.93,3795.41 6188.93,3824.4 6176.93,3824.4 6176.93,3795.41 6164.93,3795.41 6164.93,3824.4 6152.93,3824.4 6152.93,3795.41 6140.93,3795.41 6140.93,3824.4 6128.93,3824.4 6128.93,3821.12 6125.41,3821.12 6122.41,3824.12 6111.3,3835.23 6111.3,3951.35 6114.81,3954.87 6121.3,3954.87 6128.3,3954.87 6128.3,3932.13 6140.3,3932.13 6140.3,3954.87 6152.3,3954.87 6152.3,3932.13 6164.3,3932.13 6164.3,3954.87 6176.3,3954.87 6176.3,3932.13 6188.3,3932.13 6188.3,3954.87 6200.3,3954.87 6200.3,3932.13 6212.3,3932.13 6212.3,3954.87 6224.3,3954.87 6224.3,3932.13 6236.3,3932.13 6236.3,3954.87 6248.3,3954.87 6248.3,3932.13 6260.3,3932.13 6260.3,3954.87 6272.3,3954.87 6272.3,3932.13 6284.3,3932.13 6284.3,3954.87 6296.3,3954.87 6296.3,3932.13 6308.3,3932.13 6308.3,3954.87 6320.3,3954.87 6320.3,3932.13 6332.3,3932.13 6332.3,3954.87 6344.3,3954.87 6344.3,3932.13 6356.3,3932.13 6356.3,3954.87 6368.3,3954.87 6368.3,3932.13 6380.3,3932.13 6380.3,3954.87 6392.3,3954.87 6392.3,3932.13 6404.3,3932.13 6404.3,3954.87 6416.3,3954.87 6416.3,3932.13 6428.3,3932.13 6428.3,3954.87 6440.3,3954.87 6440.3,3932.13 6452.3,3932.13 6452.3,3954.87 6464.3,3954.87 6464.3,3932.13 6476.3,3932.13 6476.3,3954.87 6479.3,3954.87 6491.03,3954.87 6556.39,4020.22 6556.39,4033.65 v1(6558.52,4035.78) ; U5.78@6805.08,5469.07 6847.54,5469.07 v1(6861.56,5483.09)